# Altium PCB Modbus_PCB1.PcbDoc (part 2 of 3)
Units mm, origin at the board's own origin, x right, y up, seen from the top; angles counter-clockwise.
Board outline 129.7 x 129.9 mm, 4 copper layers (Top Copper, Signal Layer 1, Signal Layer 2, Bottom Copper), stack 1.57 mm thick; 195 components, 139 nets, 570 pads, 260 vias.
Unrouted connection lines stored in the file: 1.
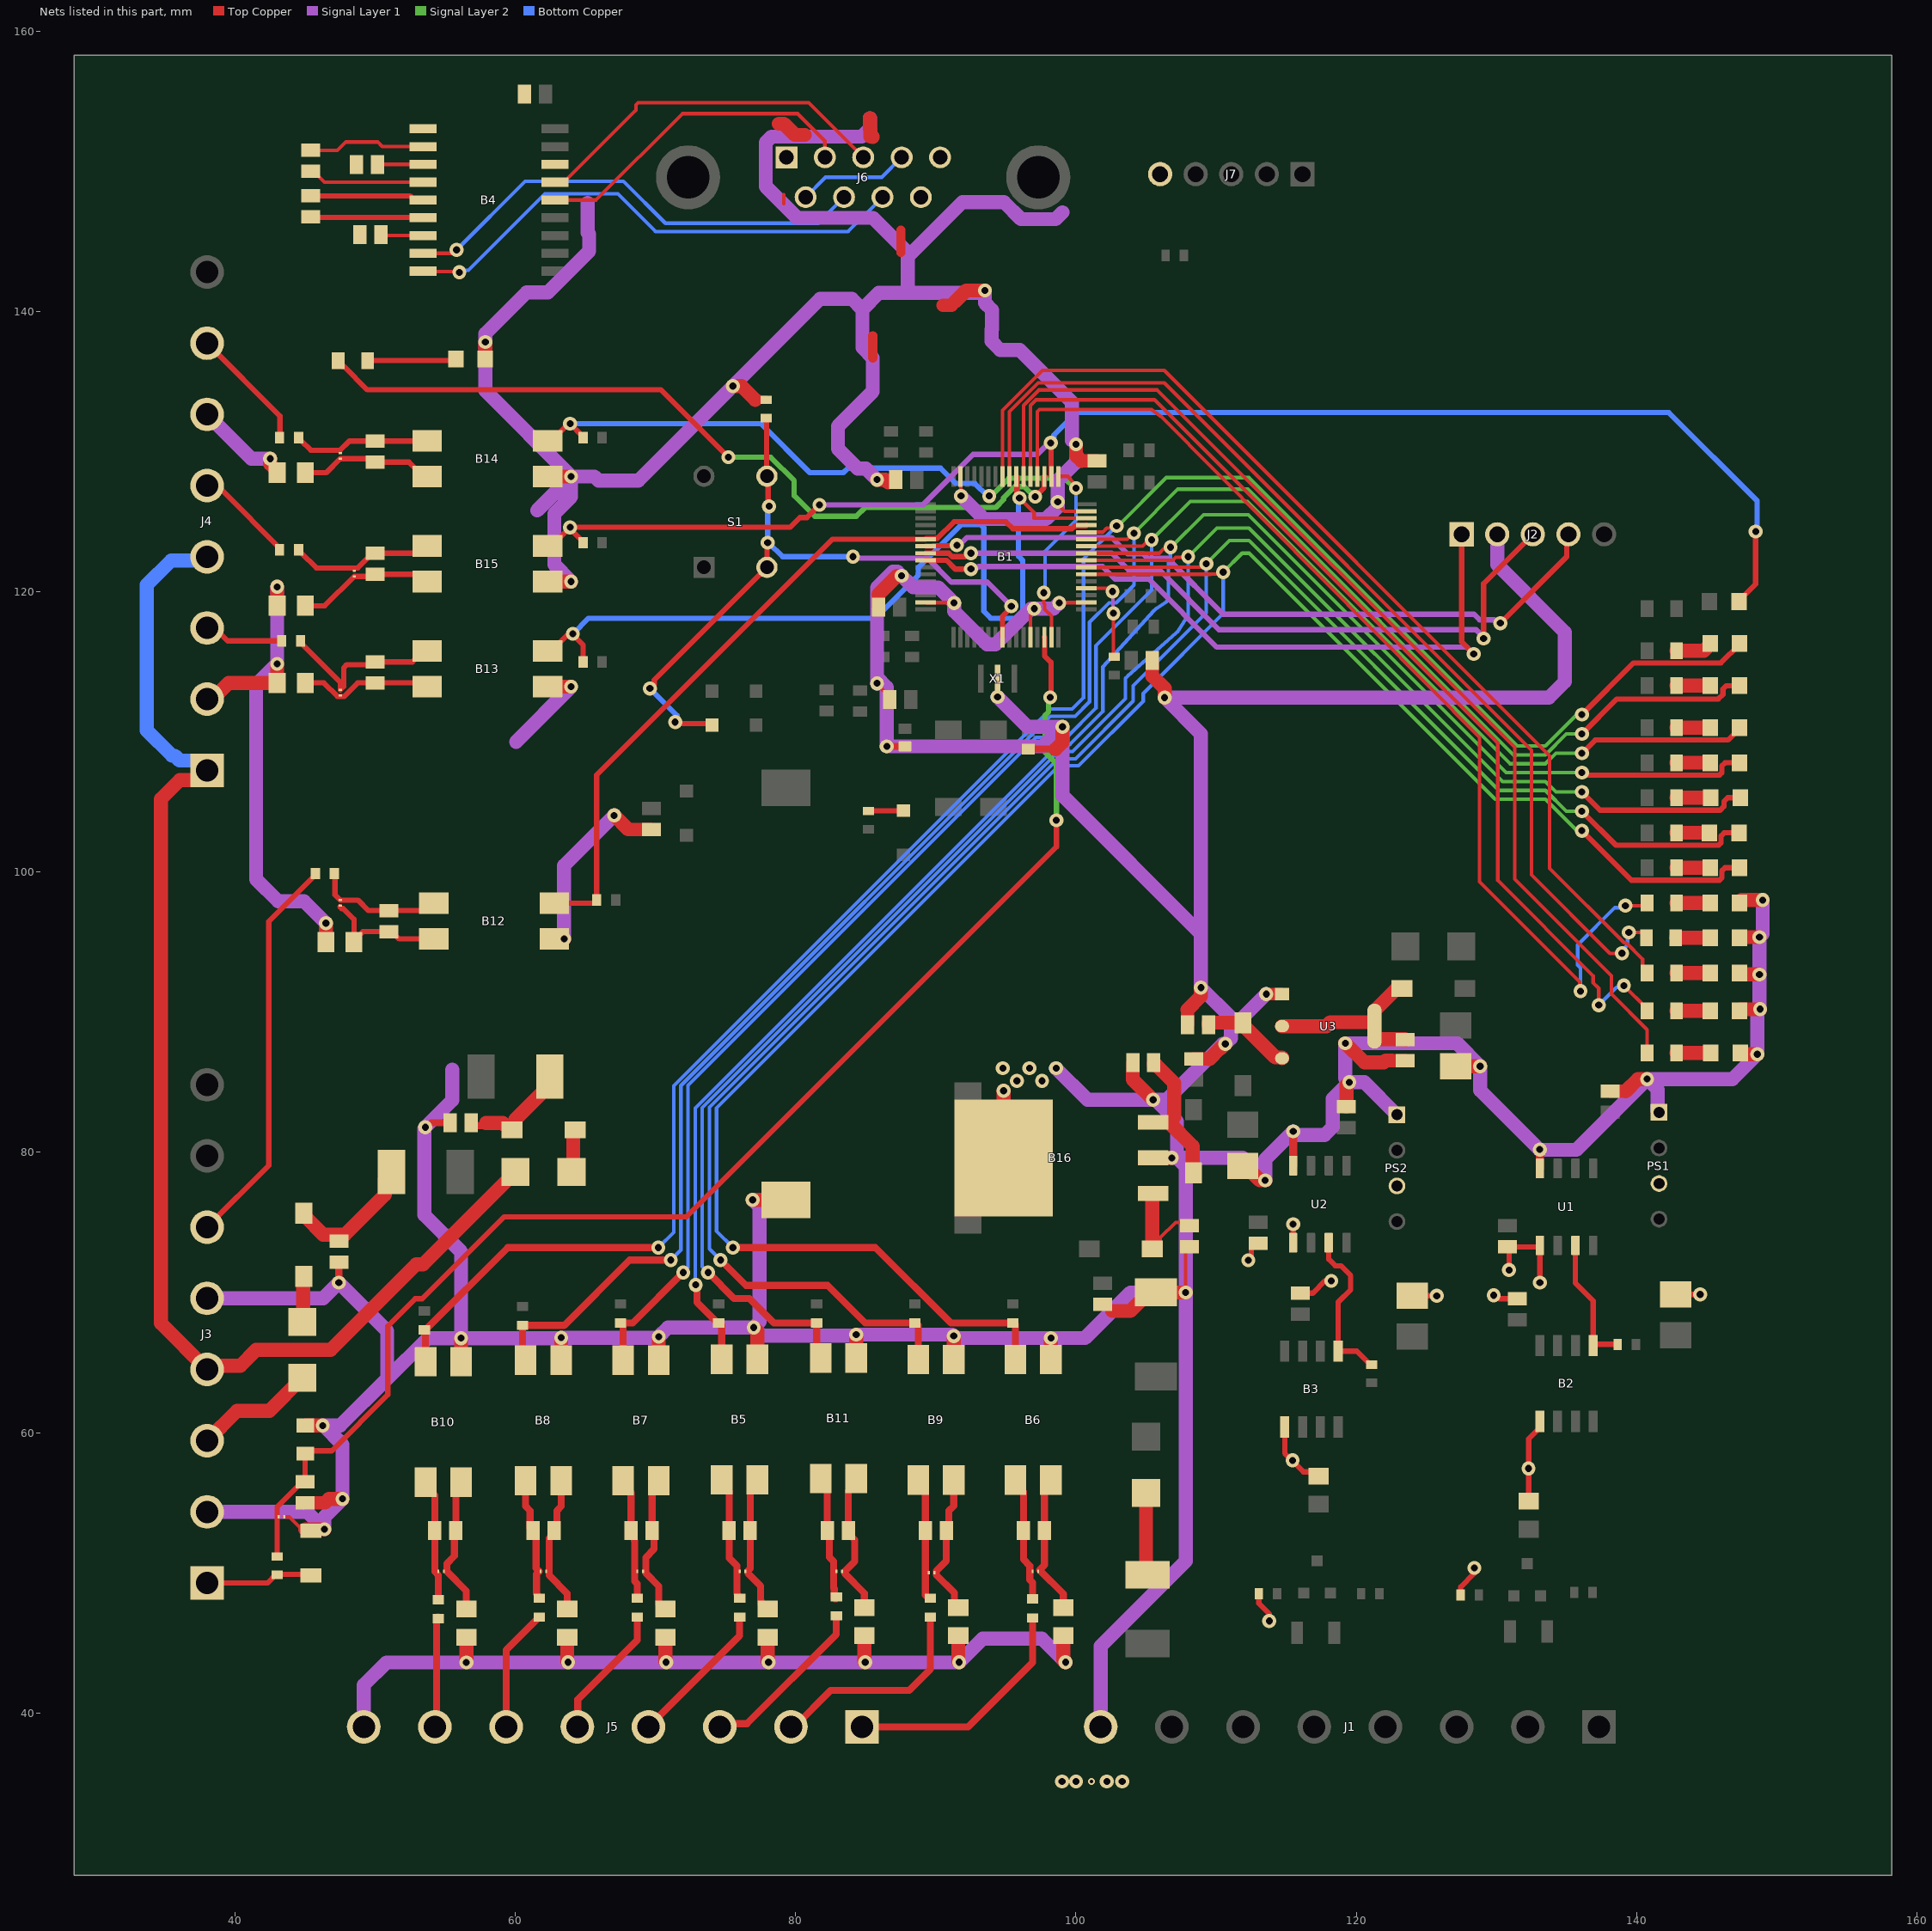
[diagram p4: the nets of this part, all layers, seen from the top]

## Part data (continued)
U3: library part CMP-209535-000001-1, "LDO Voltage Regulators 1A, 3.3V", Dropout Voltage=1.1V, Manufacturer="Advanced Monolithic Systems", Max Junction Temp=+125°C, Max Power Dissipation=1.2W, Max Supply Voltage=15V, Nominal Supply Current=5mA, Output Current=1A, Output Voltage=3.3V, Package=AMS1117, Temperature="-40°C to +125°C", Temperature Range Low=-40°C, Automotive=No, Category=IC, ComponentLink2Description=Datasheet, ComponentLink2URL=http://www.advanced-monolithic.com/pdf/ds1117.pdf, Device Class L1="Integrated Circuits (ICs)", Device Class L2="Power Management ICs", Device Class L3="Voltage Regulators - Linear", Height=1.8mm, Ipc Land Pattern Name=SOT229P700X180-4, Lead Free=Yes, Manufacturer Part Number=AMS1117-3.3, Number Of Outputs=1, Octopart=https://octopart.com/ams1117-3.3-advanced+monolithic+systems-25899300, Output Type=Fixed, RoHS=TRUE, Standoff Height=0.64mm, Temperature Range High=+125°C
X1: library part CMP-2100-03620-1, "Ceramic Resonator, 8 MHz, +/- 0.5%, -20 to 80 degC, 3-Pin SMD, RoHS, Tape and Reel", Capacitance=33pF, Case/Package=Ceramic, Frequency=8MHz, Frequency Stability=0.2%, Frequency Tolerance=0.5%, Manufacturer=Murata, Max Operating Temperature=80degC, Min Operating Temperature=-20degC, Package Description="3-Pin Surface Mount Device, Body 3.2 x 1.3 mm, Pitch 1.2 mm", Package Quantity=1, Package Reference=CSTCE_G_A-3, Composition=Ceramic, Contact Plating=Gold, Datasheet URL=http://www.murata.com/~/media/webrenewal/support/library/catalog/products/timingdevice/ceralock/p16e.ashx, Datasheet Version=42339.0, Height=0.031inch, Lead Free=LeadFree, Length=0.126inch, Load Capacitance=33pF, Manufacturer URL=http://www.murata.com/, Mount=SurfaceMount, Number of Pins=3, Packaging=TapeandReel, REACH SVHC=NoSVHC, RoHSCompliant=True, Self Resonant Frequency=8MHz, Termination=SMD/SMT, Tolerance=0.5%, Width=0.051inch
Y1: library part CMP-27762-013076-1, "CRYSTAL 32.7680KHZ 6PF SMD", Case/Package=SMD/SMT, ESR (Equivalent Series Resistance)=50kR, Frequency=32.768kHz, Frequency Tolerance=10ppm, Load Capacitance=6pF, Max Operating Temperature=85°C, Min Operating Temperature=-40°C, Operating Frequency="32.768 kHz", Package Quantity=3000, Depth=3.8mm, Height=0.098inch, Lead Free="Lead Free", Length=8mm, Mount="Surface Mount", Number of Pins=4, Packaging="Tape and Reel", Radiation Hardening=No, REACH SVHC="No SVHC", RoHS Compliant=Yes, Series=ABS25, Series Resistance=50kR, Termination=SMD/SMT, Tolerance=10ppm, Width=0.15inch

## Via types
v1: diameter 1, hole 0.5, Top Copper to Bottom Copper, 247 vias
v2: diameter 0.5, hole 0.254, Top Copper to Bottom Copper, 5 vias
v3: diameter 3.2, hole 3.2, Top Copper to Bottom Copper, 4 vias
v4: diameter 5, hole 5, Top Copper to Bottom Copper, 4 vias

## Nets (pads, with @x,y where several pads share a name; then routed paths per layer and width w, separated by ;. In a path a pad name is that pad's centre, name@x,y a point inside that pad or via, vN(x,y) a via of type N, cw(c..) or ccw(c..) an arc to the next point about the centre after c; other vN are vias at no path point)
12VEncoders: D16.1 J3.4 J4.1 J4.4 | length 95.1
  Top Copper w1: J4.1@38,107.26 37.3,106.56 36.046,106.56 34.7,105.214 34.7,67.8 J3.4@38,64.5 38.268,64.768 40.368,64.768 41.5,65.9 46.809,65.9 52.909,72 53.4,72 D16.1@60,78.6
  Bottom Copper w1: J4.1@38,107.26 37.3,107.96 36.04,107.96 35.7,108.3 35.5,108.3 33.7,110.1 33.7,120.5 35.432,122.232 37.732,122.232 J4.4@38,122.5
12VLoadcell: D15.1 J3.3 | length 8.7
  Top Copper w1: J3.3@38,59.42 40.124,61.544 42.444,61.544 D15.1@44.8,63.9
An_IN1: B1.14 C14.1 C15.2 D3.2 R11.1 | length 98.4
  Top Copper w0.381: R11.1@43,51.15 43,54.7 44.8,56.5 C15.2@45,56.5 C14.1@45,58.5 45.2,58.7 46.9,58.7 50.9,62.7 50.9,67.6 52.85,69.55 53.35,69.55 59.2,75.4 72.2,75.4 98.6,101.8 v1(98.6,103.7) ; B1.14@97.75,116.762 97.76,116.752 97.76,115.423 98.218,114.966 98.218,112.518 v1(98.159,112.459)
  Signal Layer 2 w0.381: v1(98.159,112.459) 98.04,112.34 98.04,111.437 97.8,111.197 97.8,108.534 98.6,107.734 v1(98.6,103.7)
Analog_4_20_IN: J3.1 R11.2 R14.2 | length 7.3
  Top Copper w0.381: J3.1@38,49.26 42.31,49.26 42.9,49.85 R11.2@43,49.85 43.025,49.875 44.975,49.875 R14.2@45,49.9
D_IN1: B1.22 B6.4 LED7.1 R16.1 | length 147
  Top Copper w0.254: B1.22@100.738,121.25 109.596,121.25 109.619,121.273 110.373,121.273 v1(110.5,121.4)
  Top Copper w0.381: v1(136.1,102.952) 139.631,99.421 145.916,99.421 146.079,99.584 146.079,100.077 146.303,100.3 LED7.1@147.35,100.3
  Top Copper w0.5: v1(75.52,73.2) 85.691,73.2 91.068,67.823 R16.1@95.5,67.823 95.577,67.823 95.675,67.725 B6.4@95.675,65.215
  Signal Layer 2 w0.254: v1(110.5,121.4) 111.85,122.75 112.35,122.75 129.91,105.19 133.5,105.19 135.738,102.952 v1(136.1,102.952)
  Bottom Copper w0.254: v1(75.52,73.2) 74.348,74.372 74.348,83.156 98.77,107.578 100.184,107.578 104.8,112.195 104.8,112.746 110.5,118.446 v1(110.5,121.4)
D_IN2: B1.23 B9.4 LED8.1 R22.1 | length 140.9
  Top Copper w0.254: B1.23@100.738,121.75 108.778,121.75 108.786,121.757 108.855,121.757 109.102,122.004 v1(109.3,122.004)
  Top Copper w0.381: v1(136.1,104.333) 138.512,101.921 145.866,101.921 146.029,102.084 146.029,102.577 146.253,102.8 LED8.1@147.3,102.8
  Top Copper w0.5: v1(74.634,72.313) 76.447,70.5 82.284,70.5 84.96,67.823 R22.1@88.5,67.823 88.577,67.823 88.74,67.66 B9.4@88.74,65.215
  Signal Layer 2 w0.254: v1(109.3,122.004) 110.948,123.652 112.346,123.652 130.173,105.825 133.5,105.825 134.992,104.333 v1(136.1,104.333)
  Bottom Copper w0.254: v1(74.634,72.313) 73.84,73.107 73.84,83.204 98.722,108.086 99.973,108.086 104.089,112.202 104.089,113.289 109.3,118.5 v1(109.3,122.004)
D_IN3: B1.24 B11.4 LED9.1 R26.1 | length 134.6
  Top Copper w0.254: B1.24@100.738,122.25 104.128,122.25 104.132,122.246 106.912,122.246 107.119,122.453 107.949,122.453 v1(108,122.504)
  Top Copper w0.381: v1(136.1,105.714) 137.393,104.421 145.966,104.421 146.233,104.688 146.233,105.033 146.5,105.3 LED9.1@147.4,105.3
  Top Copper w0.5: v1(73.747,71.427) 75.596,69.577 76.691,69.577 78.444,67.823 R26.1@81.5,67.823 81.5,65.597 B11.4@81.781,65.316
  Signal Layer 2 w0.254: v1(108,122.504) 110.048,124.552 112.344,124.552 130.436,106.46 133.5,106.46 134.246,105.714 v1(136.1,105.714)
  Bottom Copper w0.254: v1(73.747,71.427) 73.332,71.841 73.332,83.181 98.745,108.594 99.763,108.594 103.53,112.361 103.53,113.725 103.53,113.83 103.679,113.979 107.148,117.057 ccw(c106.4,117.9) 107.347,117.29 108,118.3 v1(108,122.504)
D_IN4: B1.25 B5.4 LED10.1 R13.1 | length 129.4
  Top Copper w0.254: B1.25@100.738,122.75 105.944,122.75 106.232,123.038 106.6,123.038 v1(106.743,123.181)
  Top Copper w0.381: v1(136.1,107.095) 136.267,107.095 136.442,106.921 145.916,106.921 146.079,107.084 146.079,107.577 146.303,107.8 LED10.1@147.35,107.8
  Top Copper w0.5: v1(72.86,70.54) 72.956,70.444 72.956,69.291 74.423,67.823 R13.1@74.5,67.823 74.577,67.823 74.72,67.68 B5.4@74.72,65.233
  Signal Layer 2 w0.254: v1(106.743,123.181) 106.781,123.181 109.1,125.5 112.294,125.5 130.699,107.095 v1(136.1,107.095)
  Bottom Copper w0.254: v1(72.86,70.54) 72.824,70.576 72.824,83.158 98.768,109.102 99.553,109.102 101.913,111.462 101.913,114.641 105.566,118.658 cw(c106.4,117.9) 105.778,118.84 106.451,119.285 106.6,119.434 106.6,122.173 106.727,122.3 106.727,123.165 v1(106.743,123.181)
D_IN5: B1.26 B7.4 LED11.1 R18.1 | length 132.9
  Top Copper w0.254: B1.26@100.738,123.25 104.748,123.25 105.198,123.7 v1(105.4,123.7)
  Top Copper w0.381: v1(136.1,108.476) 137.045,109.421 146.521,109.421 147.35,110.25 LED11.1@147.35,110.3
  Top Copper w0.5: R18.1@67.5,67.823 R18.1@67.577,67.823 ; B7.4@67.684,65.164 67.684,67.716 R18.1@67.577,67.823 ; v1(71.973,71.427) 68.37,67.823 R18.1@67.577,67.823
  Signal Layer 2 w0.254: v1(105.4,123.7) 108.15,126.45 112.242,126.45 130.962,107.73 133.5,107.73 134.246,108.476 v1(136.1,108.476)
  Bottom Copper w0.254: v1(71.973,71.427) 72.316,71.769 72.316,84.782 97.144,109.61 99.342,109.61 101.422,111.69 101.422,116.155 105.4,120.132 v1(105.4,123.7)
D_IN6: B1.27 B8.4 LED12.1 R20.1 | length 140.2
  Top Copper w0.254: B1.27@100.738,123.75 103.648,123.75 104.079,124.181 v1(104.133,124.181)
  Top Copper w0.381: v1(136.1,109.857) 138.588,112.345 145.84,112.345 146.158,112.663 146.158,113.058 146.4,113.3 LED12.1@147.35,113.3
  Top Copper w0.5: B8.4@60.724,65.164 60.5,65.388 R20.1@60.5,67.647 63.47,67.647 68.137,72.313 v1(71.087,72.313)
  Signal Layer 2 w0.254: v1(104.133,124.181) 107.276,127.324 112.266,127.324 131.225,108.365 133.5,108.365 134.992,109.857 v1(136.1,109.857)
  Bottom Copper w0.254: v1(71.087,72.313) 71.808,73.035 71.808,84.759 98.167,111.118 99.936,111.118 100.965,112.147 100.965,117.83 102.354,119.22 102.868,119.22 104.133,120.485 v1(104.133,124.181)
D_IN7: B1.28 B10.4 LED13.1 R24.1 | length 146.6
  Top Copper w0.254: B1.28@100.738,124.25 101.892,124.25 102.194,124.552 102.757,124.552 v1(102.9,124.694)
  Top Copper w0.381: v1(136.1,111.238) 139.783,114.921 146.021,114.921 147.35,116.25 LED13.1@147.35,116.3
  Top Copper w0.5: R24.1@53.5,67.323 R24.1@53.507,67.323 ; B10.4@53.587,65.062 53.587,67.244 R24.1@53.507,67.323 ; v1(70.2,73.2) 59.453,73.2 53.577,67.323 R24.1@53.507,67.323
  Signal Layer 2 w0.254: v1(102.9,124.694) 102.994,124.694 106.45,128.15 112.338,128.15 131.488,109 133.5,109 135.738,111.238 v1(136.1,111.238)
  Bottom Copper w0.254: v1(70.2,73.2) 71.3,74.3 71.3,84.736 98.19,111.626 99.726,111.626 100.533,112.433 100.533,122.328 v1(102.9,124.694)
D_IN8: B1.29 B1.54 B12.4 R28.1 | length 54.8
  Top Copper w0.381: B12.4@62.778,97.77 65.648,97.77 65.802,97.923 R28.1@65.802,98 65.802,106.935 82.617,123.75 B1.54@89.262,123.75 89.303,123.791 89.978,123.791 90.008,123.821 90.115,123.821 91.295,125 95,125 95.5,124.5 99.705,124.5 99.885,124.679 99.992,124.679 100.022,124.71 100.698,124.71 B1.29@100.738,124.75
D_IN9: B1.30 B1.39 B13.4 R30.1 | length 62.6
  Top Copper w0.18: B1.30@100.678,125.19 B1.30@100.738,125.25
  Top Copper w0.254: v1(95.969,126.691) 97.01,125.65 97.01,125.25 B1.30@100.738,125.25
  Top Copper w0.381: B13.4@62.3,115.77 62.575,115.77 63.687,116.882 63.982,116.882 v1(64.1,117) 64.1,116.931 64.823,116.208 R30.1@64.823,115 ; B1.39@95.75,128.238 95.781,128.207 95.781,126.929 95.969,126.74 v1@95.969,126.405
  Bottom Copper w0.381: v1(64.1,117) 65.21,118.11 85.687,118.11 88.752,121.175 88.752,121.735 91.817,124.8 93.194,124.8 93.418,124.577 93.418,118.609 93.917,118.11 95.672,118.11 96.199,118.636 96.199,122.235 95.9,122.534 95.9,126.621 v1(95.969,126.691)
D_IN10: B1.15 B1.33 B14.4 R32.1 | length 56.4
  Top Copper w0.254: v1(97.7,119.927) 97.7,119.182 97.77,119.112 97.77,118.754 98.25,118.274 B1.15@98.25,116.762 ; B1.33@98.75,128.238 99.412,128.238 99.592,128.058 99.592,128.01 100,127.602 v1(100,127.4)
  Top Copper w0.381: B14.4@62.3,130.77 62.575,130.77 63.805,132 v1(63.9,132) 64.823,131.077 R32.1@64.823,131
  Signal Layer 2 w0.381: v1(93.811,126.835) 93.935,126.835 95.2,128.1 99.185,128.1 99.885,127.4 v1(100,127.4)
  Bottom Copper w0.254: v1(97.7,119.927) 97.8,120.027 97.8,122.886 100,125.086 v1(100,127.4)
  Bottom Copper w0.381: v1(63.9,132) 77.5,132 81,128.5 83.411,128.5 83.728,128.818 90.338,128.818 91.424,127.732 92.79,127.732 93.687,126.835 v1(93.811,126.835)
D_IN11: B1.34 B15.4 LED14.1 R34.1 | length 104.7
  Top Copper w0.381: B15.4@62.3,123.27 62.575,123.27 63.627,124.322 63.627,124.327 v1(63.9,124.6) ; R34.1@64.823,123.5 64.823,123.577 63.9,124.5 v1(63.9,124.6) ; v1(81.7,126.2) 80.8,125.3 80.3,125.3 79.6,124.6 v1(63.9,124.6) ; v1(98.199,130.627) 98.225,130.602 98.225,128.263 B1.34@98.25,128.238 ; LED14.1@147.3,119.3 147.3,119.35 148.5,120.55 v1(148.5,124.3)
  Signal Layer 1 w0.381: v1(81.7,126.2) 89.056,126.2 92.656,129.8 97.242,129.8 98.069,130.627 v1(98.199,130.627)
  Bottom Copper w0.381: v1(98.199,130.627) 98.199,130.794 98.418,131.013 98.418,131.188 100.021,132.791 142.309,132.791 148.6,126.5 148.6,124.4 v1(148.5,124.3)
DB9_1: J6.1
DB9_2: B4.14 J6.2 | length 23.8
  Top Copper w0.254: B4.14@62.824,147.96 65.76,147.96 71.916,154.116 80.147,154.116 82.08,152.182 J6.2@82.08,151
DB9_3: B4.15 J6.3 | length 26.2
  Top Copper w0.254: B4.15@62.824,149.23 63.461,149.23 68.6,154.369 68.6,154.751 68.749,154.9 80.92,154.9 J6.3@84.82,151
DB9_4: J6.4 J6.6 | length 8
  Bottom Copper w0.254: J6.6@80.71,148.16 82.13,149.58 86.14,149.58 J6.4@87.56,151
DB9_7: B4.8 J6.7 | length 34.8
  Top Copper w0.254: B4.8@53.4,144.15 55.348,144.15 55.598,144.4 v1(55.8,144.4) ; 79.15,147.7 79.15,148.337
  Bottom Copper w0.254: v1(55.8,144.4) 60.7,149.3 67.7,149.3 70.7,146.3 81.59,146.3 J6.7@83.45,148.16
DB9_8: B4.9 J6.8 | length 37.3
  Top Copper w0.254: B4.9@53.4,142.88 53.44,142.84 55.96,142.84 v1(56,142.8)
  Bottom Copper w0.254: v1(56,142.8) 56.143,142.943 56.643,142.943 62.095,148.395 67.305,148.395 70,145.7 83.73,145.7 J6.8@86.19,148.16
DB9_9: J6.9
Digital_GND: J5.8 R35.1 R36.1 R37.1 R38.1 R39.1 R40.1 R41.1 | length 89.4
  Top Copper w1: v1(56.5,43.6) R40.1@56.5,45.4 ; R38.1@63.7,45.4 63.7,43.67 v1(63.757,43.613) ; R37.1@70.7,45.4 70.7,43.67 v1(70.757,43.613) ; R35.1@78,45.4 78,43.67 v1(78.057,43.613) ; R41.1@84.9,45.5 84.9,43.67 v1(84.957,43.613) ; R39.1@91.6,45.5 91.6,43.67 v1(91.657,43.613) ; R36.1@99.1,45.5 99.1,43.77 v1(99.257,43.613)
  Signal Layer 1 w1: J5.8@49.18,39 49.18,41.98 50.8,43.6 v1(56.5,43.6) ; v1@91.657,43.6 84.957,43.6 78.057,43.6 v1@70.757,43.6 ; v1(91.657,43.613) 93.343,45.3 97.57,45.3 v1(99.257,43.613) ; v1(56.5,43.6) v1@63.757,43.6 ; v1(56.5,43.6) v1@63.757,43.6 ; v1@63.757,43.6 v1@70.757,43.6 ; v1@63.757,43.6 v1@70.757,43.6 ; v1@63.757,43.6 v1@70.757,43.6
Digital_IN1: J5.1 R15.1 | length 17.3
  Top Copper w0.5: J5.1@84.74,39 92.3,39 96.9,43.6 R15.1@96.9,46.8
Digital_IN1_GND: B6.2 C17.1 D5.1 R36.2 | length 12.6
  Top Copper w0.5: B6.2@98.215,56.615 97.75,56.15 C17.1@97.75,53 97.75,50.55 97.394,50.194 ; R36.2@99.1,47.5 99.1,48.487 ; 97.394,50.194 99.1,48.487 ; 97.394,50.194 99.1,48.487
Digital_IN2: J5.2 R21.1 | length 15.4
  Top Copper w0.5: J5.2@79.66,39 79.9,39 82.5,41.6 88.1,41.6 89.6,43.1 R21.1@89.6,46.85
Digital_IN2_GND: B9.2 C20.1 D8.1 R39.2 | length 10.6
  Top Copper w0.5: B9.2@91.28,56.615 91.28,54.773 90.933,54.425 90.933,53.183 C20.1@90.75,53 90.75,50.843 90.038,50.13 ; R39.2@91.6,47.5 91.318,47.782 91.318,48.557 90.038,49.838 ; 90.038,49.838 90.038,50.13 ; 90.038,49.838 90.038,50.13
Digital_IN3: J5.3 R25.1 | length 12.3
  Top Copper w0.5: J5.3@74.58,39 74.81,39.23 76.53,39.23 82.9,45.6 R25.1@82.9,46.85
Digital_IN3_GND: B11.2 C22.1 D10.1 R41.2 | length 10.5
  Top Copper w0.5: B11.2@84.321,56.716 84.321,56.441 83.75,55.87 C22.1@83.75,53 83.75,52.8 84.2,52.35 84.2,50.794 83.5,50.094 83.5,49.937 84.9,48.537 R41.2@84.9,47.5
Digital_IN4: J5.4 R12.1 | length 10.5
  Top Copper w0.5: J5.4@69.5,39 76,45.5 R12.1@76,46.85
Digital_IN4_GND: B5.2 C16.1 D4.1 R35.2 | length 10.4
  Top Copper w0.5: B5.2@77.26,56.633 76.75,56.123 C16.1@76.75,53 76.75,50.298 76.6,50.148 ; R35.2@78,47.4 77.875,47.4 77.525,47.75 77.525,48.018 77.5,48.043 77.5,49.045 76.6,49.945 ; 76.6,49.945 76.6,50.148 ; 76.6,49.945 76.6,50.148
Digital_IN5: J5.5 R17.1 | length 9.6
  Top Copper w0.5: J5.5@64.42,39 64.45,39.03 64.45,40.95 68.7,45.2 R17.1@68.7,46.85
Digital_IN5_GND: B7.2 C18.1 D6.1 R37.2 | length 11.4
  Top Copper w0.5: B7.2@70.224,56.564 69.75,56.09 C18.1@69.75,53 69.9,52.85 69.9,51.688 69.3,51.088 ; R37.2@70.7,47.4 70.575,47.4 70.225,47.75 70.225,49.037 69.3,49.963 ; 69.3,49.963 69.3,51.088 ; 69.3,49.963 69.3,51.088
Digital_IN6: J5.6 R19.1 | length 8.9
  Top Copper w0.5: J5.6@59.34,39 59.34,44.49 61.7,46.85 R19.1@61.8,46.85
Digital_IN6_GND: B8.2 C19.1 D7.1 R38.2 | length 12.7
  Top Copper w0.5: B8.2@63.264,56.564 63.264,54.739 62.95,54.425 62.95,53.2 C19.1@62.75,53 62.75,52.8 C19.1@62.4,52.45 ; R38.2@63.7,47.4 63.7,48.513 62.4,49.812 ; 62.4,49.812 C19.1@62.4,52.45 ; 62.4,49.812 C19.1@62.4,52.45
Digital_IN7: J5.7 R23.1 | length 8
  Top Copper w0.5: J5.7@54.26,39 54.38,39.12 54.38,46.8 54.43,46.85 R23.1@54.5,46.85
Digital_IN7_GND: B10.2 C21.1 D9.1 R40.2 | length 10.6
  Top Copper w0.5: B10.2@56.127,56.462 55.75,56.085 C21.1@55.75,53 55.646,52.895 55.646,51.191 55.1,50.646 ; R40.2@56.5,47.4 56.5,48.7 55.1,50.1 ; 55.1,50.1 55.1,50.646 ; 55.1,50.1 55.1,50.646
Digital_IN8: J3.6 R27.1 | length 28.6
  Top Copper w0.381: J3.6@38,74.66 42.4,79.06 42.4,96.472 45.828,99.9 R27.1@45.828,100
Digital_IN8_GND: B12.2 C23.1 D11.1 R42.2 | length 9.2
  Top Copper w0.381: D11.1@47.47,97.53 47.6,97.4 47.7,97.4 48.478,96.622 R42.2@48.478,95.125 ; R42.2@48.478,95 R42.2@48.478,95.125 ; B12.2@54.178,95.23 51.698,95.23 51.178,95.75 C23.1@50.978,95.75 49.103,95.75 R42.2@48.478,95.125
Digital_IN9: J4.3 R29.1 | length 5.7
  Top Copper w0.381: J4.3@38,117.42 38.546,117.42 39.466,116.5 R29.1@43.35,116.5
Digital_IN9_GND: B13.2 C24.1 D12.1 R43.2 | length 10.1
  Top Copper w0.381: R43.2@45,113.5 46.335,113.5 47.305,112.53 ; B13.2@53.7,113.23 53.43,113.5 C24.1@50,113.5 48.754,113.5 47.784,112.53 ; 47.305,112.53 47.784,112.53 ; 47.305,112.53 47.784,112.53
Digital_IN10: J4.7 R31.1 | length 8.9
  Top Copper w0.381: J4.7@38,137.74 43.2,132.54 R31.1@43.2,131
Digital_IN10_GND: B14.2 C25.1 D13.1 R44.2 | length 9.6
  Top Copper w0.381: R44.2@45,128.5 46.5,128.5 D13.1@47.5,129.5 49.75,129.5 C25.1@50,129.25 52.405,129.25 53.425,128.23 B14.2@53.7,128.23
Digital_IN11: J4.5 R33.1 | length 7.2
  Top Copper w0.381: J4.5@38,127.58 38.386,127.194 39.106,127.194 43.2,123.1 R33.1@43.2,123
Digital_IN11_GND: B15.2 C26.1 D14.1 R45.2 | length 9.8
  Top Copper w0.381: R45.2@45,119 46.4,119 D14.1@48.5,121.1 49.85,121.1 C26.1@50,121.25 53.18,121.25 B15.2@53.7,120.73
GND: B1.12 B1.18 B1.31 B1.47 B1.63 B4.1 B4.16 B5.3 B6.3 B7.3 B8.3 B9.3 B10.3 B11.3 B12.3 B13.3 B14.3 B15.3 B16.2 B16.4 B17.2 C3.1 C7.1 C9.1 C11.1 C12.1 C14.2 C15.1 C27.1 C28.1 C29.2 C30.1 C31.1 C32.1 C33.1 C34.2 C35.1 C36.1 C37.1 C38.1 C39.1 C40.1 C41.1 C42.1 C43.1 C44.1 C45.2 D3.1 J1.8 J2.2 J3.2 J3.5 J4.2 J4.6 J6.5 J7.5 LED1.1 LED2.1 LED3.1 LED4.1 LED5.1 LED6.1 PS1.1 PS2.1 R14.1 R42.1 R43.1 R44.1 R45.1 R64.2 U1.4 U2.4 U3.1 X1.2 | length 752.8
  Top Copper w0.254: D3.1@43.5,54 43.85,54 44.75,53.1 R14.1@45,53.1 ; v1(85.8,113.467) 85.8,113.4 86.7,112.5 C39.1@86.7,112.3 ; v1(86.5,108.973) v1@86.501,108.974 ; C44.1@87.799,108.974 C44.1@87.8,108.975 ; B1.63@89.262,119.25 89.285,119.227 91.273,119.227 v1(91.3,119.2) ; B1.47@91.75,128.238 91.773,128.215 91.773,126.862 v1(91.8,126.835) ; B1.12@96.75,116.762 96.75,118.332 97.016,118.598 v1(97.016,118.8) ; v1(98.7,126.41) 98.7,126.239 99.189,125.75 99.464,125.75 B1.31@100.738,125.75 ; v1(98.8,119.2) 98.827,119.227 100.715,119.227 B1.18@100.738,119.25 ; v1(107.827,70) 107.827,72.977 C27.1@108.1,73.25
  Top Copper w0.5: v1(47.4,70.7) C32.1@47.4,72.15 ; v1(53.568,81.79) 53.704,81.79 54.014,82.1 C33.1@55.55,82.1 ; v1@86.501,108.974 C44.1@87.799,108.974 ; C45.2@96.6,108.775 97.137,108.775 98.55,108.775
  Top Copper w0.6: 77.106,133.7 R64.2@77.9,133.7 ; U2.4@115.495,79.05 115.495,81.495 v1(115.5,81.5) ; U1.4@133.095,78.85 v1(133.095,80.2)
  Top Copper w0.65: 85.5,136.686 85.5,138.276 ; 87.5,144.21 87.5,145.8
  Top Copper w0.872: v1(113.576,91.29) U3.1@114.705,91.29
  Top Copper w0.95: C15.1@45,55 46.421,55 ; 68.033,103.05 C38.1@69.7,103.05 ; C43.1@85.9,118.9 85.9,119.801 ; 86.597,127.8 87.15,127.8 C42.1@87.15,128 ; 90.5,140.45 91.119,140.45 91.369,140.7 ; 100.381,129.35 C41.1@101.5,129.35 ; 104.05,85.651 C28.1@104.05,86.4 ; 105.45,113.981 C40.1@105.45,115.1 ; C36.1@107.95,89.1 107.95,90.174 ; C35.1@108.4,86.65 109.519,86.65 ; 122.542,86.55 C37.1@123.5,86.55 ; C3.1@138.1,84.35 139.219,84.35
  Top Copper w1: J4.2@38,112.34 38.379,112.34 39.539,113.5 R43.1@43,113.5 v1(43,114.852) ; v1(42.5,129.5) 42.5,129.125 43,128.625 R44.1@43,128.5 ; R45.1@43,119 v1(43,120.352) ; R14.1@45,53.1 v1(46.377,53.1) ; C14.2@45,60.5 v1(46.252,60.5) ; 46.421,55 46.692,55.27 v1(47.655,55.27) ; R42.1@46.478,95 v1(46.478,96.352) ; B10.3@56.127,65.062 v1(56.127,66.739) ; LED6.1@57.85,136.6 v1(57.85,137.827) ; B13.3@62.3,113.23 v1(63.977,113.23) ; B15.3@62.3,120.73 v1(63.977,120.73) ; B14.3@62.3,128.23 v1(63.977,128.23) ; B12.3@62.778,95.23 v1(63.473,95.23) ; B8.3@63.264,65.164 v1(63.264,66.77) ; v1(67.045,104.038) 68.033,103.05 ; B7.3@70.224,65.164 v1(70.224,66.841) ; v1(75.52,134.676) 76.131,134.676 77.106,133.7 ; v1(76.923,76.6) B17.2@79.3,76.6 ; v1(77,67.5) 77.26,67.24 B5.3@77.26,65.233 ; 78.8,153.4 79.15,153.4 79.95,152.6 80.65,152.6 ; B11.3@84.321,65.316 v1(84.321,66.993) ; 85.3,153.8 85.3,153.036 85.325,153.011 85.325,152.475 85.475,152.475 85.5,152.45 ; v1(85.8,128) 86.397,128 86.597,127.8 ; 85.9,119.801 87.238,121.139 v1(87.561,121.139) ; B9.3@91.28,65.215 v1(91.28,66.892) ; 91.369,140.7 92.169,141.5 v1(93.5,141.5) ; B16.4@94.83,79.6 v1(94.83,84.392) ; B6.3@98.215,65.215 v1(98.215,66.743) ; 98.55,108.775 99.03,109.255 v1(99.03,110.364) ; v1(100,130.523) 100,129.732 100.381,129.35 ; 102.6,68.675 103.875,68.675 105.2,70 C30.1@105.7,70 v1(107.827,70) ; 104.05,85.651 104.05,85.195 v1(105.5,83.745) ; 105.45,113.981 106.326,113.106 v1(106.326,112.445) ; B16.2@105.5,79.6 v1(106.834,79.6) ; 107.95,90.174 108.915,91.139 v1(108.915,91.755) ; 109.519,86.65 110.294,87.425 110.339,87.425 v1@110.652,87.738 ; C29.2@111.9,79.04 112.08,79.04 113.12,78 v1(113.5,78) ; v1(119.219,87.782) 120.593,86.409 121.955,86.409 122.096,86.55 122.542,86.55 ; C7.1@119.292,83.242 C7.1@119.3,83.25 ; C7.1@119.3,83.275 119.3,84.8 v1(119.5,85) ; C34.2@127.1,86.14 v1(128.842,86.14) ; 139.219,84.35 140.094,85.226 v1(140.755,85.226) ; LED4.1@147.35,90.1 147.4,90.15 147.4,90.2 148.798,90.2 v1(148.819,90.221) ; LED1.1@147.35,92.8 147.35,92.75 147.4,92.7 148.752,92.7 v1(148.768,92.685) ; LED2.1@147.35,95.3 LED2.1@147.35,95.3 147.4,95.352 v1(148.768,95.352) ; LED5.1@147.35,97.8 147.35,97.85 147.5,98 v1(149,98) ; LED3.1@147.4,87.1 147.4,87.05 147.45,87 148.61,87 v1(148.615,86.995)
  Signal Layer 1 w1: J3.2@38,54.34 45.137,54.34 v1(46.377,53.1) 46.377,53.992 v1(47.655,55.27) 47.655,59.145 v1@46.3,60.5 ; J3.5@38,69.58 46.28,69.58 v1(47.4,70.7) 50.85,67.25 50.85,63.85 ; J4.6@38.379,132.66 J4.6@38,132.66 41.16,129.5 v1(42.5,129.5) ; v1(43,120.352) v1(43,114.852) 41.5,113.352 41.5,99.486 43.067,97.919 44.912,97.919 v1(46.478,96.352) ; v1(46.252,60.5) v1@46.3,60.5 ; v1@53.5,81.7 53.5,75.533 56.127,72.906 v1(56.127,66.739) ; v1(53.568,81.79) 55.5,83.721 55.5,85.9 ; 60.047,109.3 v1(63.977,113.23) ; 61.547,125.8 v1(63.977,128.23) ; 62.642,95.23 v1(63.473,95.23) 63.473,100.466 v1(67.045,104.038) ; v1(63.977,120.73) 62.773,121.934 62.773,125.58 63.977,126.784 v1(63.977,128.23) ; 65.148,147.752 65.148,145.635 65.258,145.525 65.258,144.299 62.315,141.356 60.793,141.356 57.85,138.413 v1(57.85,137.827) 57.85,134.357 v1(63.977,128.23) ; v1(76.923,76.6) 77.414,76.109 77.414,67.914 v1(77,67.5) ; 85.3,153.8 85.3,153.066 84.714,152.48 82.693,152.48 79.72,152.48 78.27,152.48 77.86,152.07 77.86,148.917 80.097,146.68 85.52,146.68 88,144.2 88,143.9 ; v1(85.8,113.467) 85.8,120.3 86.939,121.439 87.261,121.439 88.38,120.32 90.18,120.32 v1(91.3,119.2) 91.3,118.606 93.656,116.25 94.25,116.25 96.8,118.8 v1(97.016,118.8) 98.4,118.8 v1(98.8,119.2) ; v1@85.8,113.878 86.5,113.178 v1(86.5,108.973) 97.639,108.973 v1(99.03,110.364) ; v1(85.8,128) 85.009,128.791 84.421,128.791 83.014,130.198 83.014,131.814 85.5,134.3 85.5,136.686 84.757,137.429 84.757,140.157 ; v1(91.8,126.835) 93.21,125.425 93.21,125.191 97.853,125.191 98.7,126.037 v1(98.7,126.41) 98.7,127.947 100,129.247 v1(100,130.523) ; v1(94.4,112.5) 96.536,110.364 v1(99.03,110.364) ; v1(98.582,85.997) 100.833,83.745 v1(105.5,83.745) v1@105.664,83.745 ; 99.04,147.08 98.552,146.593 96.078,146.593 94.87,147.8 91.9,147.8 88,143.9 ; v1@99.718,130.804 99.718,133.53 95.987,137.262 94.597,137.262 93.977,137.882 93.977,138.71 94,138.734 94,140.113 93.5,140.613 v1(93.5,141.5) 93.326,141.326 88,141.326 ; J1.8@101.76,39 101.76,44.76 107.827,50.827 v1(107.827,70) ; v1(106.834,79.6) v1@107.207,79.6 ; v1(113.576,91.29) 111.055,88.769 ; PS2.1@122.9,82.68 120.58,85 v1(119.5,85) ; J2.2@130.06,124.1 130.06,121.94 134.886,117.114 134.886,113.586 133.745,112.445 v1(106.326,112.445) 108.915,109.855 108.915,95.585 ; v1@133.095,80.177 135.706,80.177 v1(140.755,85.226) ; v1(133.095,80.2) 133.072,80.2 128.842,84.43 v1(128.842,86.14) 127.2,87.782 v1(119.219,87.782) 119.219,85.281 v1(119.5,85) ; PS1.1@141.6,82.85 141.505,82.945 141.505,84.476 v1(140.755,85.226) ; v1(149,98) 149,95.584 v1(148.768,95.352) 148.768,90.272 v1(148.819,90.221) 148.615,90.018 v1(148.615,86.995) 146.846,85.226 v1(140.755,85.226) ; v1@46.3,60.5 47.5,60.5 50.85,63.85 ; 50.85,63.85 53.739,66.739 v1(56.127,66.739) ; v1(56.127,66.739) 63.234,66.739 v1(63.264,66.77) 70.153,66.77 v1(70.224,66.841) 70.883,67.5 v1(77,67.5) ; v1(63.977,128.23) 65.632,128.23 65.937,127.925 68.769,127.925 v1(75.52,134.676) 81.744,140.9 84.014,140.9 84.757,140.157 ; v1(77,67.5) 77.59,66.91 84.237,66.91 v1(84.321,66.993) 91.179,66.993 v1(91.28,66.892) 91.429,66.743 v1(98.215,66.743) 100.643,66.743 103.9,70 v1(107.827,70) ; 84.757,140.157 85.926,141.326 88,141.326 ; 88,141.326 88,143.9 ; v1(99.03,110.364) 99.03,105.47 108.915,95.585 ; v1@105.664,83.745 106.469,83.745 110.463,87.738 v1(110.652,87.738) 111.055,88.141 111.055,88.769 ; v1@105.664,83.745 107.207,82.202 v1@107.207,79.6 ; v1@107.207,79.6 111.9,79.6 v1(113.5,78) 113.5,79.5 v1(115.5,81.5) 115.761,81.239 117.739,81.239 118.325,81.825 118.325,83.825 v1(119.5,85) ; v1@107.207,79.6 107.827,78.98 v1(107.827,70) ; 108.915,95.585 v1(108.915,91.755) 111.055,89.615 111.055,88.769
  other v1: 99,35.1 100,35.1 102.2,35.1 103.3,35.1 95.782,85.097 97.582,85.097 94.782,85.997 96.682,85.997
  other v2: 101.1,35.1
GND_ISO1: B2.5 C1.1 C2.2 C4.1 PS1.3 R1.1 R3.2 U1.5 | length 23.1
  Top Copper w0.381: R1.1@127.45,48.4 127.45,48.976 128.422,49.949 v1(128.422,50.342) ; v1(129.8,69.8) 129.967,69.8 130.218,69.55 C4.1@131.5,69.55 ; v1(130.9,71.6) 130.9,73.15 C1.1@130.8,73.25 132.995,73.25 U1.5@133.095,73.35 133.097,73.348 133.097,70.703 v1(133.1,70.7) v1@133.203,70.7 ; B2.5@133.095,60.788 133.095,60.351 132.3,59.556 ; C2.2@142.8,69.86 v1(144.542,69.86) ; 132.3,59.556 R3.2@132.3,55.1 132.3,59.556
  other v1: 132.289,57.437
GND_ISO2: B3.5 C5.1 C6.2 C8.1 PS2.3 R6.1 R8.2 U2.5 | length 16.3
  Top Copper w0.381: v1(112.3,72.3) 112.3,72.468 112.516,72.683 112.516,73.215 112.8,73.5 C5.1@113,73.5 ; R6.1@113.05,48.5 113.05,47.808 113.792,47.066 v1(113.792,46.558) ; B3.5@114.895,60.388 114.895,58.523 ; U2.5@115.495,73.55 v1(115.495,74.877) ; C8.1@116,69.95 116.9,69.95 117.775,70.826 v1(118.217,70.826) ; R8.2@117.3,56.9 117.009,57.192 116.227,57.192 ; C6.2@124,69.76 v1(125.742,69.76) ; 114.895,58.523 116.227,57.192 ; 114.895,58.523 116.227,57.192
  other v1: 115.453,58.015
GPS_PPS: B1.57 J2.1 | length 50.6
  Top Copper w0.381: B1.57@89.262,122.25 90.756,122.25 91.383,121.623 v1(92.5,121.623) ; J2.1@127.52,124.1 127.52,116.424 v1(128.382,115.562)
  Signal Layer 1 w0.381: v1(92.5,121.623) 92.618,121.741 92.974,121.741 93.033,121.8 101.9,121.8 102.787,120.913 105.187,120.913 110.053,116.047 127.902,116.047 v1@128.174,115.774
GPS_RX: B1.55 J2.4 | length 52
  Top Copper w0.381: B1.55@89.262,123.25 89.77,123.25 89.809,123.288 91.461,123.288 v1(91.5,123.327) ; v1(130.282,117.762) 135.018,122.498 135.018,123.978 J2.4@135.14,124.1
  Signal Layer 1 w0.381: v1(91.5,123.327) 91.668,123.327 92.217,123.877 102.523,123.877 103.7,122.7 104.8,122.7 105.1,122.4 106.5,122.4 110.5,118.4 128.4,118.4 128.8,118 129.855,118 v1@130.128,117.728
GPS_TX: B1.56 J2.3 | length 51.5
  Top Copper w0.381: B1.56@89.262,122.75 90.921,122.75 91.161,122.51 92.092,122.51 92.333,122.75 v1(92.5,122.75) ; v1(129.081,116.67) 129.081,120.581 J2.3@132.6,124.1
  Signal Layer 1 w0.381: v1(92.5,122.75) 102.55,122.75 103.752,121.548 105.953,121.548 110.2,117.3 128.549,117.3 129.098,116.751 v1@129.151,116.751
INA: B2.1 R2.1 U1.7 | length 9.4
  Top Copper w0.381: U1.7@135.635,73.35 135.635,70.665 136.905,69.395 B2.1@136.905,66.212 136.993,66.3 R2.1@138.65,66.3
INA_1: B3.1 R7.1 U2.7 | length 11.8
  Top Copper w0.381: U2.7@118.035,73.55 118.035,72.365 118.5,71.9 118.9,71.9 119.6,71.2 119.6,70.2 118.705,69.305 B3.1@118.705,65.812 120.038,65.812 121,64.85 R7.1@121.1,64.85
LED1: B1.41 R58.1 | length 74.8
  Top Copper w0.254: B1.41@94.75,128.238 94.75,132.95 97.6,135.8 106.3,135.8 133.8,108.3 133.8,100.266 139.112,94.954 139.266,94.954 140.427,93.793 140.427,93.123 R58.1@140.75,92.8
LED2: B1.40 R59.1 | length 74.4
  Top Copper w0.254: B1.40@95.25,128.238 95.25,132.85 97.3,134.9 106.3,134.9 132.5,108.7 132.5,99.8 138.1,94.2 v1(138.954,94.2) ; v1(139.446,95.686) 140.377,95.686 140.7,95.363 R59.1@140.7,95.3
  Bottom Copper w0.254: v1(138.954,94.2) 138.954,94.402 139.357,94.805 139.357,95.597 v1(139.446,95.686)
LED3: B1.38 R60.1 | length 76.8
  Top Copper w0.254: B1.38@96.25,128.238 96.25,133.3 97.35,134.4 105.8,134.4 131.3,108.9 131.3,99.5 138.2,92.6 138.2,91.295 140.75,88.745 R60.1@140.75,87.1
LED4: B1.37 R61.1 | length 75.3
  Top Copper w0.254: B1.37@96.75,128.238 96.75,133.3 97.15,133.7 105.6,133.7 130.1,109.2 130.1,99.4 136.9,92.6 136.9,92.11 137.3,91.71 v1(137.3,90.5) ; v1(139.1,91.9) 140.75,90.25 R61.1@140.75,90.1
  Bottom Copper w0.254: v1(137.3,90.5) 138.557,91.757 138.957,91.757 v1(139.1,91.9)
LED5: B1.36 R62.1 | length 76.6
  Top Copper w0.254: B1.36@97.25,128.238 97.25,132.851 97.399,133 105.4,133 106.069,132.507 cw(c105.4,131.6) 106.2,132.394 128.8,109.6 128.8,99.3 135.931,92.169 135.931,91.569 v1(136,91.5) ; v1(139.2,97.6) 140.55,97.6 R62.1@140.75,97.8
  Bottom Copper w0.254: v1(136,91.5) 136,93.151 135.8,93.351 135.8,94.8 138.457,97.457 139.057,97.457 v1(139.2,97.6)
LED6: B1.35 R63.1 | length 58.1
  Top Copper w0.381: R63.1@47.35,136.5 47.35,136.35 47.61,136.091 47.76,136.091 49.433,134.418 70.382,134.418 v1(75.2,129.6) ; v1(97.092,126.783) 97.092,126.798 97.71,127.415 97.71,128.197 B1.35@97.75,128.238
  Signal Layer 2 w0.381: v1(75.2,129.6) 78.219,129.6 79.893,127.926 79.893,126.851 81.361,125.382 84.324,125.382 84.959,126.018 94.274,126.018 94.835,126.579 94.835,126.712 95.631,127.508 96.308,127.508 97.033,126.783 v1(97.092,126.783)
modemTest: B1.8 D21.1 R64.1 S1.3 S1.4 | length 50.6
  Top Copper w0.381: v1(69.6,113.1) 69.9,113.4 69.9,113.7 S1.3@77.95,121.75 77.95,123.35 78,123.4 v1(78,123.5) ; v1(71.4,110.7) 71.5,110.6 73.925,110.6 D21.1@74.025,110.5 ; R64.1@77.9,132.4 77.925,132.375 77.925,128.275 S1.4@77.95,128.25 78.025,128.175 78.025,126.175 v1(78.1,126.1) ; B1.8@94.75,116.762 94.75,118.25 95.381,118.881 v1(95.381,118.975)
  Signal Layer 1 w0.381: v1(84.089,122.511) 84.2,122.4 89.4,122.4 91.1,120.7 93.656,120.7 v1(95.381,118.975)
  Bottom Copper w0.381: v1(69.6,113.1) 71.542,111.158 71.518,111.134 71.518,110.818 v1(71.4,110.7) ; v1(78.1,126.1) 78,126 v1(78,123.5) 78.075,123.5 79.064,122.511 v1(84.089,122.511)
NetB1_20: B1.20 R73.2 | length 6.7
  Top Copper w0.254: B1.20@100.738,120.25 102.169,120.25 102.399,120.02 v1(102.601,120.02) ; v1(102.667,118.466) 102.667,115.407 R73.2@102.718,115.356
  Signal Layer 1 w0.254: v1(102.601,120.02) 102.634,119.987 102.634,118.498 v1(102.667,118.466)
NetB4_2: B4.2 C10.2 | length 8.4
  Top Copper w0.254: C10.2@45.4,151.5 47.3,151.5 47.9,152.1 50.166,152.1 50.496,151.77 B4.2@53.4,151.77
NetB4_3: B4.3 C9.2 | length 3.3
  Top Copper w0.254: C9.2@50.15,150.5 B4.3@53.4,150.5
NetB4_4: B4.4 C10.1 | length 8.3
  Top Copper w0.254: C10.1@45.4,150 45.6,150 46.37,149.23 B4.4@53.4,149.23
NetB4_5: B4.5 C13.1 | length 8.1
  Top Copper w0.381: C13.1@45.4,148.25 52.472,148.25 52.763,147.96 B4.5@53.4,147.96
NetB4_6: B4.6 C13.2 | length 8
  Top Copper w0.381: C13.2@45.4,146.75 45.43,146.72 53.37,146.72 B4.6@53.4,146.69
NetB4_7: B4.7 C12.2 | length 3
  Top Copper w0.254: C12.2@50.4,145.5 50.48,145.42 B4.7@53.4,145.42
NetB5_1: B5.1 C16.2 D4.2 R12.2 | length 11.1
  Top Copper w0.5: B5.1@74.72,56.633 74.72,56.358 75.25,55.827 C16.2@75.25,53 75.25,51.05 75.8,50.5 ; R12.2@76,48.15 75.9,48.15 75.85,48.2 75.85,48.443 R12.2@75.8,48.493 ; R12.2@75.8,48.493 75.8,50.5 ; R12.2@75.8,48.493 75.8,50.5
NetB6_1: B6.1 C17.2 D5.2 R15.2 | length 10
  Top Copper w0.5: B6.1@95.675,56.615 95.675,56.34 96.25,55.764 C17.2@96.25,53 96.25,50.95 96.7,50.5 ; R15.2@96.9,48.1 96.9,49.3 96.7,49.5 ; 96.7,49.5 96.7,50.5 ; 96.7,49.5 96.7,50.5
NetB7_1: B7.1 C18.2 D6.2 R17.2 | length 11.7
  Top Copper w0.5: B7.1@67.684,56.564 67.684,56.289 68.25,55.723 C18.2@68.25,53 68.475,52.775 68.475,52.307 68.5,52.282 ; R17.2@68.7,48.15 68.7,49.2 68.5,49.4 ; 68.5,49.4 68.5,52.282 ; 68.5,49.4 68.5,52.282
NetB8_1: B8.1 C19.2 D7.2 R19.2 | length 9.1
  Top Copper w0.5: B8.1@60.724,56.564 60.724,54.745 61.044,54.425 61.044,53.206 C19.2@61.25,53 61.475,52.775 61.475,50.325 61.7,50.1 61.5,49.9 61.5,48.493 61.65,48.343 61.65,48.2 61.7,48.15 R19.2@61.8,48.15
NetB9_1: B9.1 C20.2 D8.2 R21.2 | length 13.5
  Top Copper w0.5: B9.1@88.74,56.615 89.25,56.105 C20.2@89.25,53 ; R21.2@89.6,48.15 89.5,48.15 R21.2@89.25,48.4 ; R21.2@89.25,48.4 C20.2@89.25,53 ; R21.2@89.25,48.4 C20.2@89.25,53
NetB10_1: B10.1 C21.2 D9.2 R23.2 | length 12
  Top Copper w0.5: B10.1@53.587,56.462 53.587,56.187 54.25,55.524 C21.2@54.25,53 ; R23.2@54.5,48.15 54.5,49.831 ; 54.25,50.081 54.5,49.831 ; 54.25,50.081 C21.2@54.25,53 ; 54.25,50.081 C21.2@54.25,53 ; 54.25,50.081 54.5,49.831
NetB11_1: B11.1 C22.2 D10.2 R25.2 | length 11
  Top Copper w0.5: B11.1@81.781,56.716 82.25,56.247 C22.2@82.25,53 82.399,52.851 82.399,51.101 82.7,50.8 ; R25.2@82.9,48.15 82.8,48.15 82.75,48.2 82.75,48.85 82.7,48.9 ; 82.7,48.9 82.7,50.8 ; 82.7,48.9 82.7,50.8
NetB12_1: B12.1 C23.2 D11.2 R27.2 | length 9.4
  Top Copper w0.381: R27.2@47.128,100 47.128,98.372 D11.2@47.5,98 48.764,98 49.514,97.25 C23.2@50.978,97.25 53.658,97.25 B12.1@54.178,97.77
NetB13_1: B13.1 C24.2 D12.2 R29.2 | length 12.8
  Top Copper w0.381: R29.2@44.65,116.5 44.65,116.4 47.5,113.55 D12.2@47.5,113 47.742,113.242 47.742,114.577 47.966,114.8 49.8,114.8 C24.2@50,115 52.655,115 53.425,115.77 B13.1@53.7,115.77
NetB14_1: B14.1 C25.2 D13.2 R31.2 | length 12
  Top Copper w0.381: R31.2@44.5,131 44.5,130.9 44.61,130.79 44.709,130.79 45.4,130.1 ; B14.1@53.7,130.77 53.68,130.75 C25.2@50,130.75 48.15,130.75 47.5,130.1 ; 45.4,130.1 47.5,130.1 ; 45.4,130.1 47.5,130.1
NetB15_1: B15.1 C26.2 D14.2 R33.2 | length 13.4
  Top Copper w0.381: R33.2@44.5,123 44.5,122.9 44.61,122.791 44.709,122.791 45.8,121.7 ; B15.1@53.7,123.27 53.18,122.75 C26.2@50,122.75 49.8,122.75 48.75,121.7 ; 45.8,121.7 48.75,121.7 ; 45.8,121.7 48.75,121.7
NetB16_1: B16.1 C27.2 FB2.2 | length 8.6
  Top Copper w0.254: FB2.2@105.45,73.1 105.545,73.1 106.018,73.573 106.018,73.912 107.106,75 108.35,75 108.202,74.852 C27.2@108.1,74.852 ; FB2.2@105.6,73.1 FB2.2@105.6,73.494
  Top Copper w1: FB2.2@105.45,73.1 105.45,77.025 105.485,77.06 B16.1@105.5,77.06
NetB16_3: B16.3 C28.2 FB1.1 | length 10.6
  Top Copper w1: B16.3@105.5,82.14 106.625,82.14 ; C28.2@105.55,86.4 105.575,86.375 105.575,86.225 105.725,86.225 107,84.95 107,82.515 106.625,82.14 ; FB1.1@108.4,78.55 108.334,78.616 108.334,80.431 106.625,82.14
NetC32_2: C32.2 F1.2 FB3.1 | length 9.5
  Top Copper w1: FB3.1@44.9,75.65 45,75.55 45,75.4 46.275,74.125 47.825,74.125 50.671,76.971 50.671,78.122 F1.2@51.149,78.6
NetC33_2: C33.2 F2.2 FB4.1 | length 8.1
  Top Copper w0.5: C33.2@57.05,82.1 57.25,81.9 57.7,81.9 57.9,82.1
  Top Copper w1: 57.9,82.1 59.1,82.1 59.6,81.6 FB4.1@59.75,81.6 59.9,81.6 60,81.7 60,82.352 62.451,84.803 F2.2@62.451,85.4
NetC36_2: C36.2 FB5.2 U3.3 | length 6.6
  Top Copper w1: C36.2@109.45,89.1 109.45,89.225 109.475,89.25 FB5.2@111.9,89.25 111.9,89.1 114.226,86.774 114.703,86.774 114.705,86.772 U3.3@114.705,86.71
NetC37_2: C37.2 FB6.1 U3.2 U3.4 | length 13.8
  Top Copper w1: U3.2@114.705,89 117.859,89 118.141,89.282 121.293,89.282 121.295,89.28 U3.4@121.295,89 ; FB6.1@123.25,91.7 123.15,91.6 122.806,91.6 121.295,90.089 U3.4@121.295,89 ; C37.2@123.5,88.05 123.475,88.075 121.297,88.075 121.295,88.077 U3.4@121.295,89
NetD15_2: D15.2 FB3.2 | length 3.3
  Top Copper w1: D15.2@44.8,67.9 44.85,67.95 44.85,71.1 FB3.2@44.9,71.15
NetD16_2: D16.2 FB4.2 | length 3.1
  Top Copper w1: D16.2@64,78.6 64.125,78.725 64.125,81.5 64.225,81.6 FB4.2@64.25,81.6
NetD17_2: D17.2 F3.2 | length 5.9
  Top Copper w1: D17.2@105,55.7 105,49.951 F3.2@105.1,49.851
NetD22_2: D22.2 R46.2 | length 2.5
  Top Copper w0.381: R46.2@85.2,104.35 85.212,104.363 87.688,104.363 D22.2@87.7,104.375
NetLED1_2: LED1.2 R58.2 | length 2.4
  Top Copper w1: R58.2@142.85,92.8 LED1.2@145.25,92.8
NetLED2_2: LED2.2 R59.2 | length 2.4
  Top Copper w1: R59.2@142.8,95.3 LED2.2@145.25,95.3
NetLED3_2: LED3.2 R60.2 | length 2.4
  Top Copper w1: R60.2@142.85,87.1 LED3.2@145.3,87.1
NetLED4_2: LED4.2 R61.2 | length 2.4
  Top Copper w1: R61.2@142.85,90.1 LED4.2@145.25,90.1
NetLED5_2: LED5.2 R62.2 | length 2.4
  Top Copper w1: R62.2@142.85,97.8 LED5.2@145.25,97.8
NetLED6_2: LED6.2 R63.2 | length 6.3
  Top Copper w0.381: R63.2@49.45,136.5 55.65,136.5 LED6.2@55.75,136.6
NetLED7_2: LED7.2 R65.2 | length 2.4
  Top Copper w1: R65.2@142.85,100.3 LED7.2@145.25,100.3
NetLED8_2: LED8.2 R66.2 | length 2.4
  Top Copper w1: R66.2@142.85,102.8 LED8.2@145.2,102.8
NetLED9_2: LED9.2 R67.2 | length 2.4
  Top Copper w1: R67.2@142.85,105.3 LED9.2@145.3,105.3
NetLED10_2: LED10.2 R68.2 | length 2.4
  Top Copper w1: R68.2@142.85,107.8 LED10.2@145.25,107.8
NetLED11_2: LED11.2 R69.2 | length 2.4
  Top Copper w1: R69.2@142.85,110.3 LED11.2@145.25,110.3
NetLED12_2: LED12.2 R70.2 | length 2.4
  Top Copper w1: R70.2@142.85,113.3 LED12.2@145.25,113.3
NetLED13_2: LED13.2 R71.2 | length 2.6
  Top Copper w1: R71.2@142.85,115.8 144.8,115.8 145.25,116.25 LED13.2@145.25,116.3